# Altium PCB LimeSDR-Micro_M.2_2280_1v1.PcbDoc (part 4 of 9) (continued)
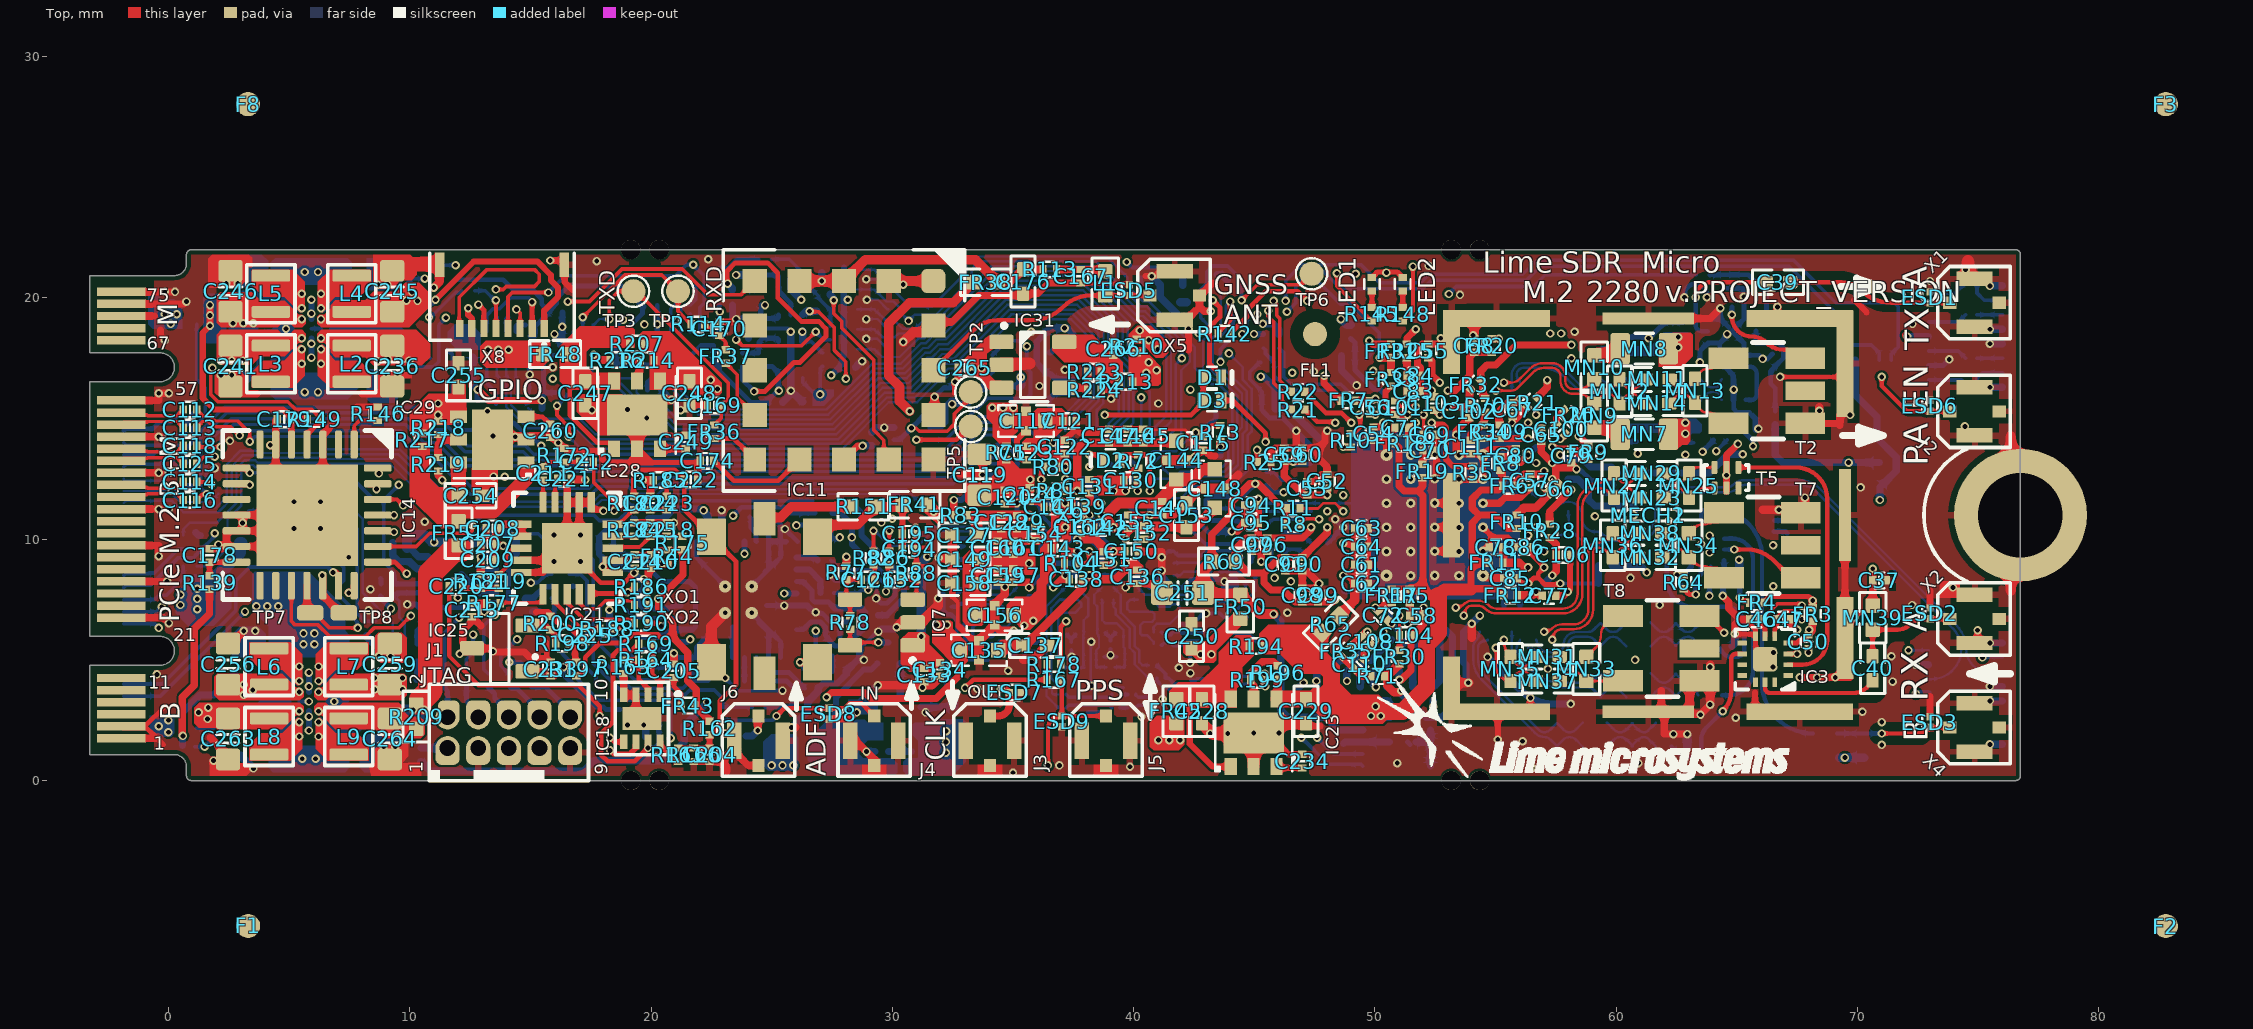
[diagram p0: Top view]
## Nets (pads, with @x,y where several pads share a name; then routed paths per layer and width w, separated by ;. In a path a pad name is that pad's centre, name@x,y a point inside that pad or via, vN(x,y) a via of type N, cw(c..) or ccw(c..) an arc to the next point about the centre after c; other vN are vias at no path point) (continued)
  Bottom w0.18: IC19.2@16.613,8.05 v2@16.915,8.05
  Bottom w0.2: IC13.4@13.55,7.775 IC13.3@13.55,8.275 IC13.2@13.55,8.775 IC13.1@13.55,9.275 ; C172.1@14.92,16.075 14.92,16.77 v1(14.975,16.825) IC8.16@14.975,17.225 ; IC12.8@16.2,18.425 IC12.7@16.2,18.025 16.3,18.125 ; C198.2@19.525,5.415 C200.1@20.248,5.415 20.81,5.415 21.125,5.1 IC16.32@21.875,5.1 21.875,5.525 IC16.4@22.525,6.175 ; IC9.7@20.256,18.025 20.256,18.425 C166.2@20.256,19.699 ; IC16.9@21.875,9.9 21.875,9.25 v4(23.075,8.05) ; IC16.29@23.375,5.1 IC16.4@23.375,6.375 ; v4(24.175,6.95) 25.375,5.75 IC16.25@25.375,5.1 ; v4(24.175,8.05) 25.375,9.25 IC16.16@25.375,9.773 ; IC16.4@24.475,6.55 24.875,6.15 IC16.26@24.875,5.1 ; IC16.4@24.725,8.65 24.875,8.8 IC16.15@24.875,9.9 ; IC16.4@24.775,7.25 v1(25.525,7.25) ; IC16.16@25.375,9.9 25.375,10.615 C203.1@25.275,10.715 25.065,10.925 C186.1@24.655,10.925 24.655,10.47 24.875,10.25 IC16.15@24.875,9.9 ; v1(25.55,10.425) 26.08,9.895 ; 25.625,9.9 IC16.15@24.875,9.9 ; v1@26.8,6.925 27.1,6.925 27.435,6.59 C190.1@28.295,6.59 ; C188.1@27.83,5.975 v1@27.83,6.6 ; C196.1@28.825,9.285 28.875,9.235 28.923,9.235 29.158,9 29.214,9 30.113,8.101 30.113,7.682 29.78,7.35 29.525,7.35 v1(29.325,7.55) v1@29.303,7.55 ; v1(31.75,15.9) 32.123,16.273 32.388,16.273 C168.2@32.43,16.315 ; R108.2@32.106,7.75 R107.2@32.106,7.2 32.106,7.065 32.278,6.892 32.413,6.892 32.666,6.64 ; R106.2@32.405,8.82 33.196,8.82 33.991,8.025 v1(34.667,8.025) ; R105.2@32.421,10.035 33.765,10.035 34.3,9.5 35.167,9.5 ; C168.2@32.438,16.388 v1@32.625,16.575 ; R29.2@33.666,5.99 C9.2@34.116,5.99 34.251,6.125 34.966,6.125 v1(35.041,6.2) ; v1(33.741,12.675) 34.492,12.675 IC6.L1@34.667,12.5 ; v1(34.216,13.75) 34.466,14 IC6.P1@34.667,14 v1(35.167,13.5) ; 34.65,11.5 v1(35.167,11.5) ; IC6.H1@34.667,11 IC6.H2@35.167,11 ; IC6.C2@35.167,8.5 v1(35.667,8) IC6.C4@36.167,8.5 ; IC6.C2@35.167,8.513 IC6.D2@35.167,9 35.167,9.5 ; 35.935,11.5 IC6.J3@35.667,11.5 v1(35.167,11.5) ; 35.991,11.5 36.141,11.35 36.291,11.5 IC6.J5@36.667,11.5 ; v1(36.667,8) IC6.C4@36.167,8.5 ; v1(37.167,8.5) IC6.C7@37.667,8.5 37.667,8.849 37.516,9 ; v1(37.167,12.5) IC6.L7@37.667,12.5 ; v1(37.667,9.5) 37.667,9.151 37.516,9 ; IC6.G7@37.667,10.5 v1(38.167,11) IC6.J7@37.667,11.5 ; IC6.F8@38.167,10 IC6.G9@38.667,10.5 ; IC6.C9@38.667,8.5 IC6.C10@39.167,8.5 ; IC6.E9@38.667,9.5 38.667,9.099 38.791,8.975 39.071,8.975 39.077,8.981 39.148,8.981 v1(39.167,9) IC6.C10@39.167,8.5 ; v1(38.667,11.5) IC6.K8@38.167,12 38.167,12.299 ; IC6.L9@38.667,12.5 38.368,12.5 38.167,12.299 ; IC6.G11@39.667,10.5 39.991,10.5 ; IC6.J11@39.667,11.5 IC6.H12@40.167,11 ; IC6.L11@39.667,12.5 39.941,12.5 40.148,12.293 40.148,12.019 v1(40.167,12) ; IC6.E12@40.167,9.5 IC6.C12@40.167,8.5 ; v1(40.167,10) 40.167,10.324 39.991,10.5 ; IC6.J13@40.667,11.5 v1(40.667,11) ; IC6.D14@41.167,9 IC6.C14@41.167,8.5 ; R15.1@43.491,10.275 43.116,10.275 42.616,10.775 42.616,11.125 42.366,11.375 41.991,11.375 41.616,11 IC6.H14@41.167,11 v1(40.667,11) ; v1@43.866,8.325 42.366,8.325 42.041,8 IC6.B15@41.667,8 IC6.C14@41.167,8.5 ; C93.2@45.306,16.1 C92.2@45.306,15.4 45.306,15.36 45.516,15.15 45.516,15.142 45.633,15.025 46.155,15.025 v1@46.816,14.365 ; IC1.AA31@48.02,9.83 v1(48.686,10.496) ; v1(48.353,10.829) v1(48.686,10.496) ; IC1.AG29@48.686,7.832 49.157,7.832 ; 49.341,10.5 48.69,10.5 v1(48.686,10.496) ; 50.642,7.824 50.642,6.648 50.656,6.635 50.656,6.529 v1(50.684,6.5) IC1.AM22@51.017,6.167 ; IC2.PAD@51.35,1.6 IC2.PAD@51.45,1.5 ; IC1.AK20@51.683,6.833 v1(52.016,7.166) 52.016,7.975 52.041,8 ; IC1.B20@51.683,16.157 52.016,16.49 v1(52.349,16.157) ; IC1.AJ9@55.346,7.166 55.346,7.637 ; 55.691,7.8 56.012,7.478 IC1.AJ7@56.012,7.166 ; 55.793,14.273 v1(56.345,14.825) ; v1(58.353,12.908) 58.382,12.879 58.512,12.879 58.956,12.435 C82.2@59.416,12.435 ; C30.1@60.191,14.045 C32.2@60.841,14.045 ; C29.1@60.216,18.38 C31.2@60.866,18.38 61.413,18.38 62.013,18.98 C34.1@62.141,18.98 C36.2@62.791,18.98 ; C48.2@62.734,8.06 62.516,8.279 v1(62.516,8.525) 62.793,8.525 IC4.7@63.116,8.847 IC4.EP@63.116,9.45 ; v1(62.825,20.025) 62.825,20.13 cw(c63.275,20.13) 63.275,20.58 cw(c63.275,20.099) 63.757,20.099 v1(63.757,20.025) ; v1(63.466,17.325) 63.466,17.8 IC5.1@63.791,18.125 64.279,18.125 ; IC5.3@63.791,19.125 64.316,19.125 ; IC5.12@64.291,17.522 v2(64.291,17.25) 64.416,17.125 64.516,17.125 64.867,16.774 T1.5@64.867,16.625 ; IC5.12@64.291,17.625 64.291,18.125 IC5.EP@64.616,18.45 ; 64.316,19.375 64.316,19.125 ; R62.2@64.511,20.4 C43.2@65.275,20.4 65.275,20.034 v1(65.291,20.05) IC5.6@65.291,19.625 ; IC5.EP@64.661,18.78 64.316,19.125 ; T1.2@64.867,15.775 64.867,15.399 65.016,15.25 65.516,15.25 65.791,14.975 R63.2@65.791,14.85 ; IC5.6@65.291,19.685 IC5.6@65.291,19.625 ; C45.2@66.475,17.68 66.27,17.475 v1(66.066,17.475) 65.916,17.625 IC5.10@65.291,17.625 65.291,18.125 IC5.EP@64.791,18.625 65.291,19.125 IC5.6@65.291,19.625 ; X7.12@72.943,17.2 73.55,17.2 v1(73.8,17.45) ; IC6.L1@34.667,12.5 IC6.K2@35.167,12 v1(35.167,11.5) ; IC6.L1@34.667,12.5 IC6.M2@35.167,13 v1(35.167,13.5) ; 35.167,9.5 v1(35.667,10) ; IC6.H2@35.167,11 IC6.G2@35.167,10.5 IC6.G3@35.667,10.5 v1(35.667,10) ; IC6.H2@35.167,11 v1(35.167,11.5) ; v1(35.167,13.5) IC6.P3@35.667,14 IC6.N4@36.167,13.5 v1(36.667,14) IC6.N6@37.167,13.5 37.416,13.5 37.667,13.249 IC6.L7@37.667,12.5 ; v1(35.667,10) IC6.F4@36.167,10 IC6.E4@36.167,9.5 IC6.D5@36.667,9 ; IC6.C4@36.167,8.5 IC6.D5@36.667,9 ; IC6.D5@36.667,9 IC6.D6@37.167,9 37.516,9 ; IC6.L7@37.667,12.5 37.966,12.5 38.167,12.299 ; IC6.C10@39.167,8.5 v1(39.667,8) IC6.C12@40.167,8.5 ; 39.991,10.5 40.167,10.676 IC6.H12@40.167,11 ; IC6.C12@40.167,8.5 IC6.B13@40.667,8 IC6.C14@41.167,8.5 ; IC6.H12@40.167,11 v1(40.667,11)
  Bottom w0.25: v1(5.825,2.075) IC30.F3@5.825,2.475 IC30.E3@5.825,2.875 ; IC30.C3@5.825,3.675 v1(5.825,3.9) IC30.B3@5.825,4.075 v1(5.825,4.475) ; v1(5.925,17.525) IC26.B3@5.925,17.925 v1(5.925,18.1) IC26.C3@5.925,18.325 ; IC26.E3@5.925,19.125 v1(5.925,19.35) IC26.F3@5.925,19.525 v1(5.925,19.925) ; v1(9.9,7.3) 10.27,7.3 10.42,7.15 10.445,7.15 10.47,7.125 C232.2@10.47,7.1 ; v2(10.275,4.175) 10.275,4.202 10.3,4.227 IC24.2@10.3,4.925 ; IC12.7@16.325,18.1 C164.2@16.325,19.4 ; v1(19.705,8.35) 19.705,7.971 19.45,7.716 19.45,7.384 19.709,7.125 20.825,7.125 20.95,7.25 IC16.4@21.225,7.25 ; C165.1@20.405,16.175 20.45,16.175 v1@21.25,15.375 ; v1(25.525,7.25) 26.475,7.25 v1@26.8,6.925 ; C193.1@26.955,3.85 27.13,4.025 27.725,4.025 28.08,4.38 R150.2@28.08,4.525 ; v1(27.425,8.525) 27.645,8.305 28.325,8.305 C197.1@28.35,8.33 ; IC17.2@27.525,11.087 27.863,11.087 28.325,10.625 28.325,9.785 C196.1@28.825,9.285 ; C14.2@38.141,2.795 R38.2@38.666,2.795 ; IC1.K4@57.011,13.493 v1(57.344,13.16) ; 59.891,12.25 59.706,12.435 C82.2@59.416,12.435 C107.2@59.416,11.935 60.381,11.935 60.441,11.875 ; v1@63.899,3.15 T6.2@63.899,3.53 T6.5@63.899,4.38 v1@63.899,4.75 ; v1(64.416,7.65) 64.418,7.652 64.418,7.997 C49.2@64.421,8 ; T1.2@64.867,15.775 T1.5@64.867,16.625
  Bottom w0.3: v1(-0.4,14.25) 0.6,14.25 0.6,14.675 1.18,15.255 R143.2@1.18,15.375 ; v1(2.175,16.8) C235.1@3.488,16.8 ; C235.1@3.175,16.527 3.8,17.152 3.8,18.215 C244.2@4.15,18.565 ; C230.1@4.025,9.85 4.375,9.5 C231.1@5.425,9.5 ; v1(8.725,5.15) v1(9.2,5.15) ; v2(9.3,9.85) 9.3,9.325 9.55,9.075 C177.2@9.89,9.075 10.003,9.075 10.303,8.775 IC13.7@10.75,8.775 IC13.PAD@11.4,8.775 ; IC13.PAD@12.15,8.525 12.9,7.775 IC13.4@13.55,7.775 ; IC13.PAD@12.9,8.275 IC13.3@13.55,8.275 ; IC13.PAD@12.9,8.775 IC13.2@13.55,8.775 ; IC13.PAD@12.9,9.275 IC13.1@13.55,9.275 ; C206.1@15.1,6.995 15.37,6.995 v2(15.375,7) ; C201.1@18.45,8.815 C199.1@19.1,8.815 19.125,8.815 19.125,8.775 v1(19.3,8.6) 19.569,8.331 v1@19.686,8.331 ; v1(19.7,2.3) v1@19.71,2.29 ; R170.2@19.778,1.8 C202.2@19.778,2.475 ; v1(22.925,11.2) 22.93,11.195 C182.1@22.93,10.875 ; C173.2@23.38,19.7 23.38,19.234 23.5,19.114 v1@23.5,19.1 ; v1@23.501,19.101 23.896,19.101 23.92,19.125 C216.2@23.945,19.125 ; v1(23.525,20.95) C217.1@23.945,20.95 ; C216.2@23.945,19.15 C216.2@23.945,19.125 ; C227.1@24.045,18.325 24.045,19.025 C216.2@23.945,19.125 ; C226.2@25.456,15.681 v1@25.85,16.075 ; v1(25.789,18.6) IC22.2@25.789,18.19 25.789,16.161 26.25,15.7 R135.2@26.295,15.7 ; IC20.2@25.789,20.79 25.789,20.361 v1(26.225,19.925) ; v1(25.825,2.2) 26.48,2.855 R152.2@26.48,3.25 26.48,3.275 26.505,3.275 26.93,3.7 C193.1@26.93,3.825 26.93,3.85 C193.1@26.955,3.85 ; R150.2@28.08,4.525 28.555,5 v1(28.825,5) 28.65,5.175 C187.2@28.65,5.57 ; C163.1@28.475,17.125 v1@28.738,17.387 ; v1(28.93,1.2) R203.2@29.28,1.2 ; C171.2@29.15,14.43 29.345,14.625 IC10.2@30.075,14.625 ; v1(29.425,6.175) 29.439,6.175 29.549,6.285 R85.2@29.85,6.285 30.096,6.285 30.161,6.35 v1(30.175,6.35) ; IC27.PAD@30.325,3.45 IC27.2@30.325,4.85 ; IC27.PAD@31.2,3.046 C239.1@32.586,3.046 32.586,3.489 32.295,3.78 C243.1@32.295,4.29 31.69,4.29 v1(31.25,3.85) ; v1(39.066,15.823) R136.2@39.066,16.045 ; v1(40.75,20.9) 41.1,20.55 41.1,20.033 41.958,19.175 R130.2@42.227,19.175 42.227,18.773 v1(42.275,18.725) ; R15.1@43.491,10.275 43.541,10.325 v1@44.041,10.325 ; v1@46.816,14.365 IC1.J33@47.354,13.826 ; C81.1@47.591,3.88 47.591,4.41 C73.2@47.731,4.55 ; C89.2@48.611,17.6 48.611,17.005 v1(49.241,16.375) ; C28.2@48.7,1.54 48.76,1.6 IC2.7@49.5,1.6 IC2.PAD@50.6,1.6 ; v1@48.831,4.157 C74.2@48.831,4.55 ; C75.2@49.931,4.55 49.931,3.985 v1(50.041,3.875) ; v1@51.011,4.157 C105.2@51.011,4.55 ; IC2.PAD@51.7,1.6 IC2.2@52.3,1.6 ; C88.2@52.122,4.55 52.122,4.943 52.241,5.061 v2(52.241,5.075) ; IC2.4@52.3,0.6 IC2.3@52.3,1.1 IC2.2@52.3,1.6 ; IC2.1@52.3,2.1 IC2.2@52.3,1.6 ; v1(53.866,4.05) 53.866,4.064 53.771,4.159 C76.2@53.771,4.55 53.771,4.795 53.666,4.9 53.666,6.152 v1(54.014,6.5) v1(54.347,6.833) ; v1(54.666,5.125) 56.085,3.705 ccw(c57.366,4.986) 57.366,3.175 v1(58.116,3.175) ; v1(62.366,1.925) v1(62.941,1.925) ; v1@63.478,2.737 v1(63.891,3.15) ; T4.1@64.8,5.565 64.916,5.68 v1(64.916,6.075) ; v1@65.791,14.55 R63.2@65.791,14.85 ; v1(72.418,4.8) X6.4@72.943,4.8 ; v1(75.483,1.5) X6.15@76.008,1.5 ; v1(75.482,3.3) X6.9@76.007,3.3 ; v1(75.483,3.9) X6.7@76.008,3.9 ; v1(75.483,5.7) X6.1@76.008,5.7 ; v1(75.483,16.3) X7.15@76.008,16.3 ; v1(75.482,18.1) X7.9@76.007,18.1 ; v1(75.483,18.7) X7.7@76.008,18.7 ; v1(75.483,20.5) X7.1@76.008,20.5
  Bottom w0.35: C261.1@3.003,1.022 v1(3.525,0.5) ; v2@8.213,5.987 8.6,5.6 C257.1@8.827,5.6 ; T3.1@62.941,1.41 v1(62.941,1.925) ; C51.2@65.091,8.78 v1(65.091,9.15)
  other v1: 35,0.325 56.516,0.525 39.85,0.575 36.925,0.625 50.925,0.725 60.916,0.725 1.875,0.825 8.925,1.4 9.4,1.4 71,1.475 56.116,1.625 43.175,1.95 43.9,1.95 44.975,1.975 46.025,1.975 19.025,2.3 71,2.425 64.95,2.6 5.825,2.65 40.325,2.65 31.375,2.825 70.2,2.85 41.2,3.375 33.525,3.8 38.266,3.925 71.45,4.1 47.575,4.125 48.841,4.125 51.016,4.175 67.6,4.275 68.325,4.275 69.075,4.275 -0.475,4.4 45.425,4.425 42.35,4.45 34.8,4.55 57.166,4.625 41.875,4.675 66.5,4.7 42.341,4.875 35.775,4.925 60.783,5 37.441,5.125 71.4,5.15 39.041,5.2 66.516,5.3 13.45,5.35 3.6,6.2 27.8,6.6 69.875,6.775 43,6.925 46.375,6.95 26.825,6.975 8.3,7.05 61.8,7.275 72.259,7.274 31.9,7.55 12,7.575 8.375,7.925 73.95,8 66.508,8.05 43.766,8.25 60.591,8.4 41.167,8.7 7.475,9.25 12.945,9.275 63.866,9.45 66.5,9.75 63.516,9.8 28.325,10.075 63.866,10.15 44.066,10.325 30.975,10.475 3.075,10.675 29.55,10.7 10.625,10.725 62.166,10.775 60.241,10.9 -0.4,11.25 70.125,12.15 17.275,12.46 57.344,12.494 13.475,12.6 -0.4,12.75 1.925,12.95 42.516,13.4 62.866,13.5 60.891,13.55 59.341,13.725 16.16,14 2.55,14.075 57.677,14.159 14.375,14.25 13.45,14.275 65.891,14.575 29.664,14.625 74.45,14.675 19.825,15.025 50.018,15.158 69.691,15.15 13.225,15.3 17.55,15.35 21.225,15.35 19.025,15.375 41.025,15.625 25.8,16.15 64.866,16.2 36.1,16.35 50.241,16.625 2.625,16.8 9.025,16.875 9.5,16.875 47.466,16.95 37.15,17.025 15.925,17.125 28.75,17.375 58.141,17.5 52.725,18.325 61.341,18.325 54.066,18.45 16,18.5 64.591,18.5 35.75,18.6 58.275,18.6 4.875,18.725 16.325,18.8 20.256,18.912 72.275,18.925 23.525,19.125 45.125,19.325 53.525,20.125 -0.15,20.25 8.675,20.55 9.075,20.55 30.45,20.55 2.4,20.6 2.875,20.6 73,20.7 74.475,21.175 52.225,21.325 17.75,21.525 22.375,21.6
  other v2: 44.241,5.4 8.2,6 16.915,8.053 30.9,11.15 12.375,14.875 50.684,15.824 11.875,18.3 12.2,18.65
  other v3: 51.48,8.49 52.48,8.5 53.48,8.49 50.48,9.49 51.48,9.49 53.48,9.49 5.2,10.45 6.3,10.45 50.48,10.49 51.48,10.49 53.48,10.49 50.48,11.49 51.48,11.49 53.48,11.49 5.2,11.55 6.3,11.55 50.48,12.49 51.48,12.49 53.48,12.49 51.48,13.49 52.48,13.5
  other v4: 50.48,8.49 17.075,9.075 17.075,10.175
GNSS_1PPS: IC11.6 R176.1 | length 7.9
  Top w0.15: v1(27.575,19.9) 27.575,19.35 27.9,19.025 27.9,18.75 29.225,17.425 29.225,14.525 29.65,14.1 29.65,13.5 IC11.6@29.85,13.3
  Bottom w0.3: R176.1@27.43,20.15 27.43,20.125 27.565,19.99 27.565,19.91 v1(27.575,19.9)
GNSS_ANT: ESD5.1 IC11.3 L1.1 X5.1 | length 10
  Top w0.18: IC11.3@31.7,17 33.368,18.668 cw(c34.35,17.687) 34.35,19.075 35.747,19.075 ccw(c35.747,20.953) 37.075,19.625 cw(c38.222,18.478) 38.222,20.1 L1.1@38.825,20.1 ESD5.1@39.825,20.1 X5.1@40.675,20.1
GNSS_FIX: IC11.13 IC14.21 | length 30.3
  Top w0.15: v1(16.55,19.85) 17.45,19.85 18.8,21.2 21.3,21.2 22.375,20.125 23.725,20.125 IC11.13@24.3,20.7
  Top w0.3: IC14.21@7.7,7.775 IC14.21@7.7,8.075
  Top w0.35: v1(7.475,7.775) IC14.21@7.675,7.775
  L6 w0.1: v1(7.475,7.775) 7.475,8.175 8.1,8.8 8.1,12.56 8.615,13.075 10.033,13.075 11.775,14.817 11.775,15.545 12.005,15.775 12.942,15.775 13.342,16.175 13.55,16.175 14.775,17.4 14.775,18.15 14.25,18.675 13.665,18.675 13.275,19.065 13.275,19.35 13.45,19.525 13.695,19.525 14.02,19.85 14.56,19.85 14.91,19.5 15.85,19.5 16,19.65 16.35,19.65 v1(16.55,19.85)
GNSS_HW_R: C171.1 IC11.7 | length 1.4
  Top w0.3: IC11.7@28,13.3 28.56,13.86 28.76,13.86 v1(28.77,13.87)
  Bottom w0.3: v1(28.77,13.87) C171.1@29.15,13.87
GNSS_HW_S: C174.1 IC11.8 | length 4.3
  Top w0.2: C174.1@22.605,13.25 22.605,13.225 22.655,13.175 22.68,13.175 23.43,12.425 25.275,12.425 IC11.8@26.15,13.3
GNSS_RXD: IC12.10 R114.1 TP4.1 | length 7.2
  Top w0.15: v1(17.175,19.2) 18.925,20.95 20.445,20.95 TP4.1@21.12,20.275 21.12,19.45 R114.1@21.67,18.9
  Bottom w0.15: IC12.10@17.175,18.6 v1(17.175,19.2)
GNSS_RXD_LS: IC6.P9 IC12.3 | length 30.9
  Bottom w0.1: IC12.3@17.175,17.05 17.175,16.8 17.725,16.25 18.667,16.25 19.567,15.35 20.15,15.35 20.938,14.562 27.593,14.562 29.506,16.475 30.68,16.475 31.53,17.325 31.722,17.325 32.072,17.675 32.447,17.675 34.686,19.915 37.74,19.915 38.95,18.705 38.95,17.344 39.391,16.903 39.391,15.214 38.967,14.79 38.967,14.3 IC6.P9@38.667,14
GNSS_TXD: C169.1 FR36.1 IC12.11 TP3.1 | length 10.5
  Top w0.15: v1(18.275,19.125) 18.275,19.9 18.65,20.275 TP3.1@19.275,20.275 19.4,20.275 23.2,16.475 23.2,15.845 23.005,15.65 22.98,15.65 22.905,15.575 C169.1@22.905,15.55 22.905,15.01 22.725,14.83 22.725,14.805 22.65,14.73 FR36.1@22.625,14.73
  Bottom w0.1: IC12.11@17.575,18.6 17.575,18.837 17.863,19.125 v1(18.275,19.125) v1@18.3,19.125
GNSS_TXD_LS: IC6.P10 IC12.2 | length 30.6
  Bottom w0.1: IC12.2@17.575,17.05 17.575,16.8 17.925,16.45 18.75,16.45 19.65,15.55 20.233,15.55 21.021,14.762 27.511,14.762 29.424,16.675 30.597,16.675 31.447,17.525 31.639,17.525 31.989,17.875 32.364,17.875 34.604,20.115 37.823,20.115 39.15,18.788 39.15,17.426 39.591,16.986 39.591,15.131 39.167,14.707 39.167,14.217 IC6.P10@39.167,14
I2C_SDA_SEL: IC14.28 IC24.6 R195.1 | length 9.6
  Top w0.3: v1(8.725,12.725) IC14.28@8.725,12.886
  L6 w0.1: v1(8.725,12.725) 8.64,12.725 8.3,12.385 8.3,9.542 8.942,8.9 10.075,8.9 11.025,7.95 v2(11.025,6.125)
  Bottom w0.15: IC24.6@10.8,5.65 10.8,5.9 10.955,6.055 10.955,6.3 11.03,6.375 R195.1@11.03,6.4
JTAG_RST: D3.C R95.2 | length 43.3
  Top w0.2: D3.C@43.625,15.75 44.1,15.75 45.466,14.384 v1(45.466,14.034) v1@45.54,14.034
  L6 w0.1: v1(14.125,4.9) 14.325,5.1 16.492,5.1 16.917,4.675 18.208,4.675 19.508,3.375 20.15,3.375 20.6,2.925 24.317,2.925 24.892,2.35 25.515,2.35 25.69,2.525 26.601,2.525 26.976,2.9 27.417,2.9 27.992,3.475 35.05,3.475 35.625,4.05 35.899,4.05 37.299,5.45 37.775,5.45 37.925,5.3 38.45,5.3 38.85,5.7 40.175,5.7 43.35,8.875 43.35,9.75 43.5,9.9 43.5,11.575 45.466,13.541 v1(45.466,14.034)
  Bottom w0.2: v1(14.125,4.9) 14.58,4.9 14.975,4.505 14.975,4.48 15.025,4.43 R95.2@15.05,4.43
LA_CFG_BOOT_HO: IC6.R14 R123.2 R132.1 | length 19.3
  Bottom w0.1: R123.2@28.55,18.7 R132.1@29.265,18.7 29.265,18.675 29.365,18.575 29.39,18.575 29.59,18.375 30.1,18.375 30.25,18.525 31.224,18.525 31.574,18.875 31.949,18.875 34.189,21.115 38.269,21.115 40.134,19.25 40.392,19.25 41.55,18.092 41.55,14.883 IC6.R14@41.167,14.5
LA_CFG_BOOT_SRC0: IC6.M14 R121.2 R130.1 TP6.1 | length 18.3
  Top w0.15: v1(44.475,19.9) 45.125,20.55 46.925,20.55 TP6.1@47.375,21
  Bottom w0.1: IC6.M14@41.167,13 41.467,12.7 41.833,12.7 41.933,12.8 43.766,12.8 44.125,13.159 44.125,14.541 44.141,14.556 44.141,14.574 44.291,14.724 44.291,15.95 43.624,16.616 43.308,16.616 42.875,17.05 42.875,18.24 43.025,18.39 43.025,18.937 R130.1@42.787,19.175
  Bottom w0.15: R121.2@42.78,19.825 42.78,20.355 43.025,20.6 43.025,21.085 43.265,21.325 43.902,21.325 44.475,20.752 v1(44.475,19.9) ; R130.1@42.787,19.175 R121.2@42.787,19.843
LA_CFG_BOOT_SRC1: IC6.P15 IC8.4 R122.2 R129.1 R131.1 | length 52.6
  L6 w0.1: v2(13.575,15.6) 14.25,15.6 15.35,16.7 15.35,17.01 15.79,17.45 16.25,17.45 16.775,16.925 18.025,16.925 18.425,17.325 22.778,17.325 23.403,16.7 24.5,16.7 24.825,16.375 24.825,16.075 25.225,15.675 28.41,15.675 30.825,18.09 30.825,18.9 v1(30.675,19.05) ; v2(33.525,21.375) 37.65,21.375 37.763,21.488 v1(39.713,21.488)
  Bottom w0.1: R122.2@28.55,20.35 R131.1@29.265,20.35 29.265,20.325 29.365,20.225 29.39,20.225 29.765,19.85 30.05,19.85 30.3,19.6 30.3,19.425 v1(30.675,19.05) 30.925,19.3 31.8,19.3 33.3,20.8 33.3,21.15 v2(33.525,21.375) 33.665,21.515 38.435,21.515 40.3,19.65 40.558,19.65 42.325,17.883 42.325,17.35 41.975,17 41.975,14.308 IC6.P15@41.667,14
  Bottom w0.15: IC8.4@13.2,17.05 13.2,16.45 13.575,16.075 v2(13.575,15.6) ; v1(39.713,21.488) 39.937,21.263 41.19,21.263 R129.1@41.477,20.975
LA_CFG_PCIE_GEN: IC6.P13 R128.2 R137.1 | length 19.8
  Bottom w0.1: R128.2@28.55,17.875 R137.1@29.265,17.875 29.265,17.866 29.581,17.55 30.305,17.55 31.08,18.325 31.307,18.325 31.657,18.675 32.032,18.675 34.272,20.915 38.186,20.915 40.051,19.05 40.31,19.05 41.35,18.01 41.35,15.108 40.867,14.624 40.867,14.2 IC6.P13@40.667,14
LA_CFG_RST_HNDSHK: IC6.P14 IC9.1 R124.2 R133.1 R140.1 | length 39.5
  L6 w0.1: v2(22.025,15.9) 21.5,15.9 21.325,16.075 21.325,16.46 21.99,17.125 22.695,17.125 23.32,16.5 24.417,16.5 24.625,16.292 24.625,15.992 25.142,15.475 28.492,15.475 31.175,18.158 v2(31.175,18.95) ; v1(42,17.5) 42.709,17.5 43.709,18.5 v1(44.5,18.5)
  Bottom w0.1: v2(22.025,15.9) IC9.1@22.025,17.1 ; R124.2@28.55,19.525 R133.1@29.265,19.525 29.265,19.5 29.365,19.4 29.39,19.4 29.69,19.1 30.05,19.1 30.425,18.725 30.95,18.725 v2(31.175,18.95) 31.325,19.1 31.883,19.1 34.098,21.315 38.352,21.315 40.217,19.45 40.475,19.45 42,17.925 v1(42,17.5) 41.75,17.25 41.75,14.583 IC6.P14@41.167,14
  Bottom w0.15: v1(44.5,18.5) 44.68,18.68 R140.1@44.68,19.25
LA_CFG_TEST_PORT_DIS: IC6.M15 IC9.2 R125.2 R134.1 R138.1 | length 40.1
  L6 w0.1: v2(21.65,16.325) 22.25,16.925 22.612,16.925 23.737,15.8 24.475,15.8 25,15.275 28.575,15.275 31.638,18.337 v2(31.638,19.637)
  Bottom w0.1: IC9.2@21.625,17.05 21.575,17 21.575,16.75 21.65,16.825 v2(21.65,16.325) ; R125.2@28.55,21.175 R134.1@29.265,21.175 29.265,21.15 29.365,21.05 29.39,21.05 29.765,20.675 30.037,20.675 30.125,20.587 30.125,20.25 30.738,19.637 v2(31.638,19.637) 33.075,21.075 33.075,21.5 33.29,21.715 38.88,21.715 R138.1@39.745,20.85 39.745,20.488 40.383,19.85 40.641,19.85 42.525,17.966 42.525,17.117 43.225,16.416 43.541,16.416 44.091,15.867 44.091,14.806 43.941,14.656 43.941,14.639 43.925,14.624 43.925,13.242 43.683,13 IC6.M15@41.667,13
LA_DCS_CLK_N: IC6.F2 R86.2 | length 7
  Top w0.15: R86.2@29.87,9.505 v1(29.87,10.355) v1@29.87,10.405
  Bottom w0.1: v1(29.87,10.355) 29.87,10.055 30,9.925 30.975,9.925 31.575,10.525 34.642,10.525 IC6.F2@35.167,10
LA_DCS_CLK_P: IC6.F1 R82.2 | length 7
  Top w0.15: R82.2@29.22,9.505 v1(29.22,10.355) v1@29.22,10.405
  Bottom w0.1: v1@29.245,10.38 29.9,9.725 31.058,9.725 31.658,10.325 34.342,10.325 IC6.F1@34.667,10
LA_GPIO_05: IC6.L13 R141.1 | length 12.4
  Bottom w0.1: IC6.L13@40.667,12.5 41.916,12.5 42.016,12.6 43.849,12.6 44.325,13.076 44.325,14.458 44.341,14.474 44.341,14.491 44.491,14.641 44.491,16.033 43.707,16.816 43.391,16.816 43.075,17.133 43.075,18.158 43.612,18.695 R141.1@43.612,20.29 ; R141.1@43.462,20.415 R141.1@43.487,20.415 R141.1@43.512,20.39 ; R141.1@43.512,20.415 R141.1@43.512,20.39 ; R141.1@43.587,20.315 R141.1@43.512,20.39
LA_GPIO_06: IC6.K15 R142.1 | length 12.8
  Top w0.2: R142.1@43.495,18.525 43.495,18.573 44,19.078 v1(44,19.85)
  Bottom w0.1: IC6.K15@41.667,12 41.983,12 42.383,12.4 43.931,12.4 44.525,12.994 44.525,14.375 44.691,14.541 44.691,16.116 43.79,17.016 43.474,17.016 43.275,17.215 43.275,18.075 43.825,18.625 43.825,19.008 43.82,19.013 43.82,19.67 v1(44,19.85)
LA_HRESET: D1.A D2.A D3.A IC6.K13 R72.2 | length 12
  Top w0.2: v1(38.8,15.15) 42.38,15.15 42.875,15.645 D3.A@42.875,15.75 D1.A@42.875,16.7 ; D2.A@39.341,13.5 40.466,13.5 40.667,13.299 v1(40.667,12)
  L3 w0.1: v1(38.8,15.15) 38.8,14.841 40.667,12.974 v1(40.667,12)
LA_I2C_SCL: IC10.1 IC10.4 IC13.6 IC14.8 IC15.6 IC18.5 IC26.E5 IC30.E5 R26.1 R115.2 R204.2 R222.2 R225.2 TP2.1 VT1.D | length 143.5
  Top w0.15: v1(30.794,14.605) 30.998,14.605 31.128,14.475 32.272,14.475 32.575,14.778 32.575,15.205 33.25,15.88 TP2.1@33.25,16.1
  Top w0.2: v1(18.3,1.775) 18.475,1.6 IC18.5@18.875,1.6
  Top w0.3: IC14.8@2.825,12.95 3.25,12.95 3.25,12.889 3.375,12.764 v1(3.375,12.75)
  L6 w0.1: v1(1.5,1.4) 3.575,1.4 4.038,1.863 ; v1(3.375,12.75) 3.675,12.75 4.55,13.625 4.55,13.931 6.95,16.331 6.95,17.84 8.51,19.4 10.475,19.4 10.65,19.575 10.65,20.775 v1(10.625,20.8) ; v2(9.325,8.15) 9,8.475 8.383,8.475 8.025,8.117 8.025,7.583 7.545,7.102 5.582,7.102 4.05,5.57 4.05,1.875 4.038,1.863 ; v1(9.55,12.25) 10.225,12.25 11.075,13.1 16.075,13.1 16.75,13.775 24.937,13.775 27.887,10.825 28.617,10.825 29.8,12.008 29.8,13.611 v1(30.794,14.605) 31.94,14.605 33.86,16.525 35.125,16.525 v1(35.321,16.721) 36.279,16.721 36.7,16.3 37.9,16.3 38.225,16.625 39.289,16.625 39.884,16.029 39.884,15.848 40.182,15.55 40.451,15.55 41.051,16.15 41.84,16.15 42.215,16.525 43.277,16.525 44.664,17.912 45.137,17.912 46.35,19.126 v1(46.35,19.425) ; v1(18.3,1.775) 17.075,0.55 5.35,0.55 4.038,1.863
  Bottom w0.15: R222.2@1.1,1.4 v1(1.5,1.4) 2.975,2.875 4.225,2.875 IC30.E5@5.025,2.875 ; v1(3.375,12.75) 7.4,12.75 8.525,11.625 8.925,11.625 ; IC26.E5@6.725,19.125 7.525,19.125 R204.2@7.8,19.4 7.8,19.425 7.875,19.5 7.888,19.5 8.338,19.95 9.225,19.95 10.065,20.79 10.615,20.79 v1(10.625,20.8) ; R26.1@9.355,8.375 9.355,8.62 8.925,9.05 8.925,11.625 ; v1(9.55,12.25) 8.925,11.625 ; R115.2@34.41,16.35 VT1.D@35.221,16.35 ; v1(46.35,19.425) 46.725,19.8 46.725,20.5 47.35,21.125 47.83,21.125 48.58,20.375 51.997,20.375 52.347,20.725 56.275,20.725 56.855,21.305 63.543,21.305 63.548,21.3 63.653,21.3 63.658,21.305 67.17,21.305 69.5,18.975 69.5,18.325 69.775,18.05 70.572,18.05 70.9,17.722 IC15.6@70.9,17.425
  Bottom w0.2: v2(9.325,8.15) 10.45,8.15 10.575,8.275 IC13.6@10.75,8.275 ; IC10.1@30.075,14.125 30.314,14.125 v1(30.794,14.605) 31.274,15.085 31.535,15.085 IC10.4@31.575,15.125
  Bottom w0.25: v2(9.325,8.15) 9.34,8.165 9.34,8.36 R26.1@9.355,8.375
  Bottom w0.4: VT1.D@35.221,16.35 35.271,16.35 35.321,16.4 v1(35.321,16.721)
LA_I2C_SCL_LS: IC6.P6 R116.2 VT1.S | length 3.3
  Bottom w0.1: 37.239,16.063 37.264,16.063 R116.2@37.364,15.963
  Bottom w0.15: VT1.S@36.511,15.86 36.511,14.656 IC6.P6@37.167,14
  Bottom w0.25: VT1.S@36.511,15.86 36.561,15.86 36.763,16.063 37.239,16.063 ; 37.264,16.063 R116.2@37.489,16.063